# KiCad board V1.3.kicad_pcb (continued)
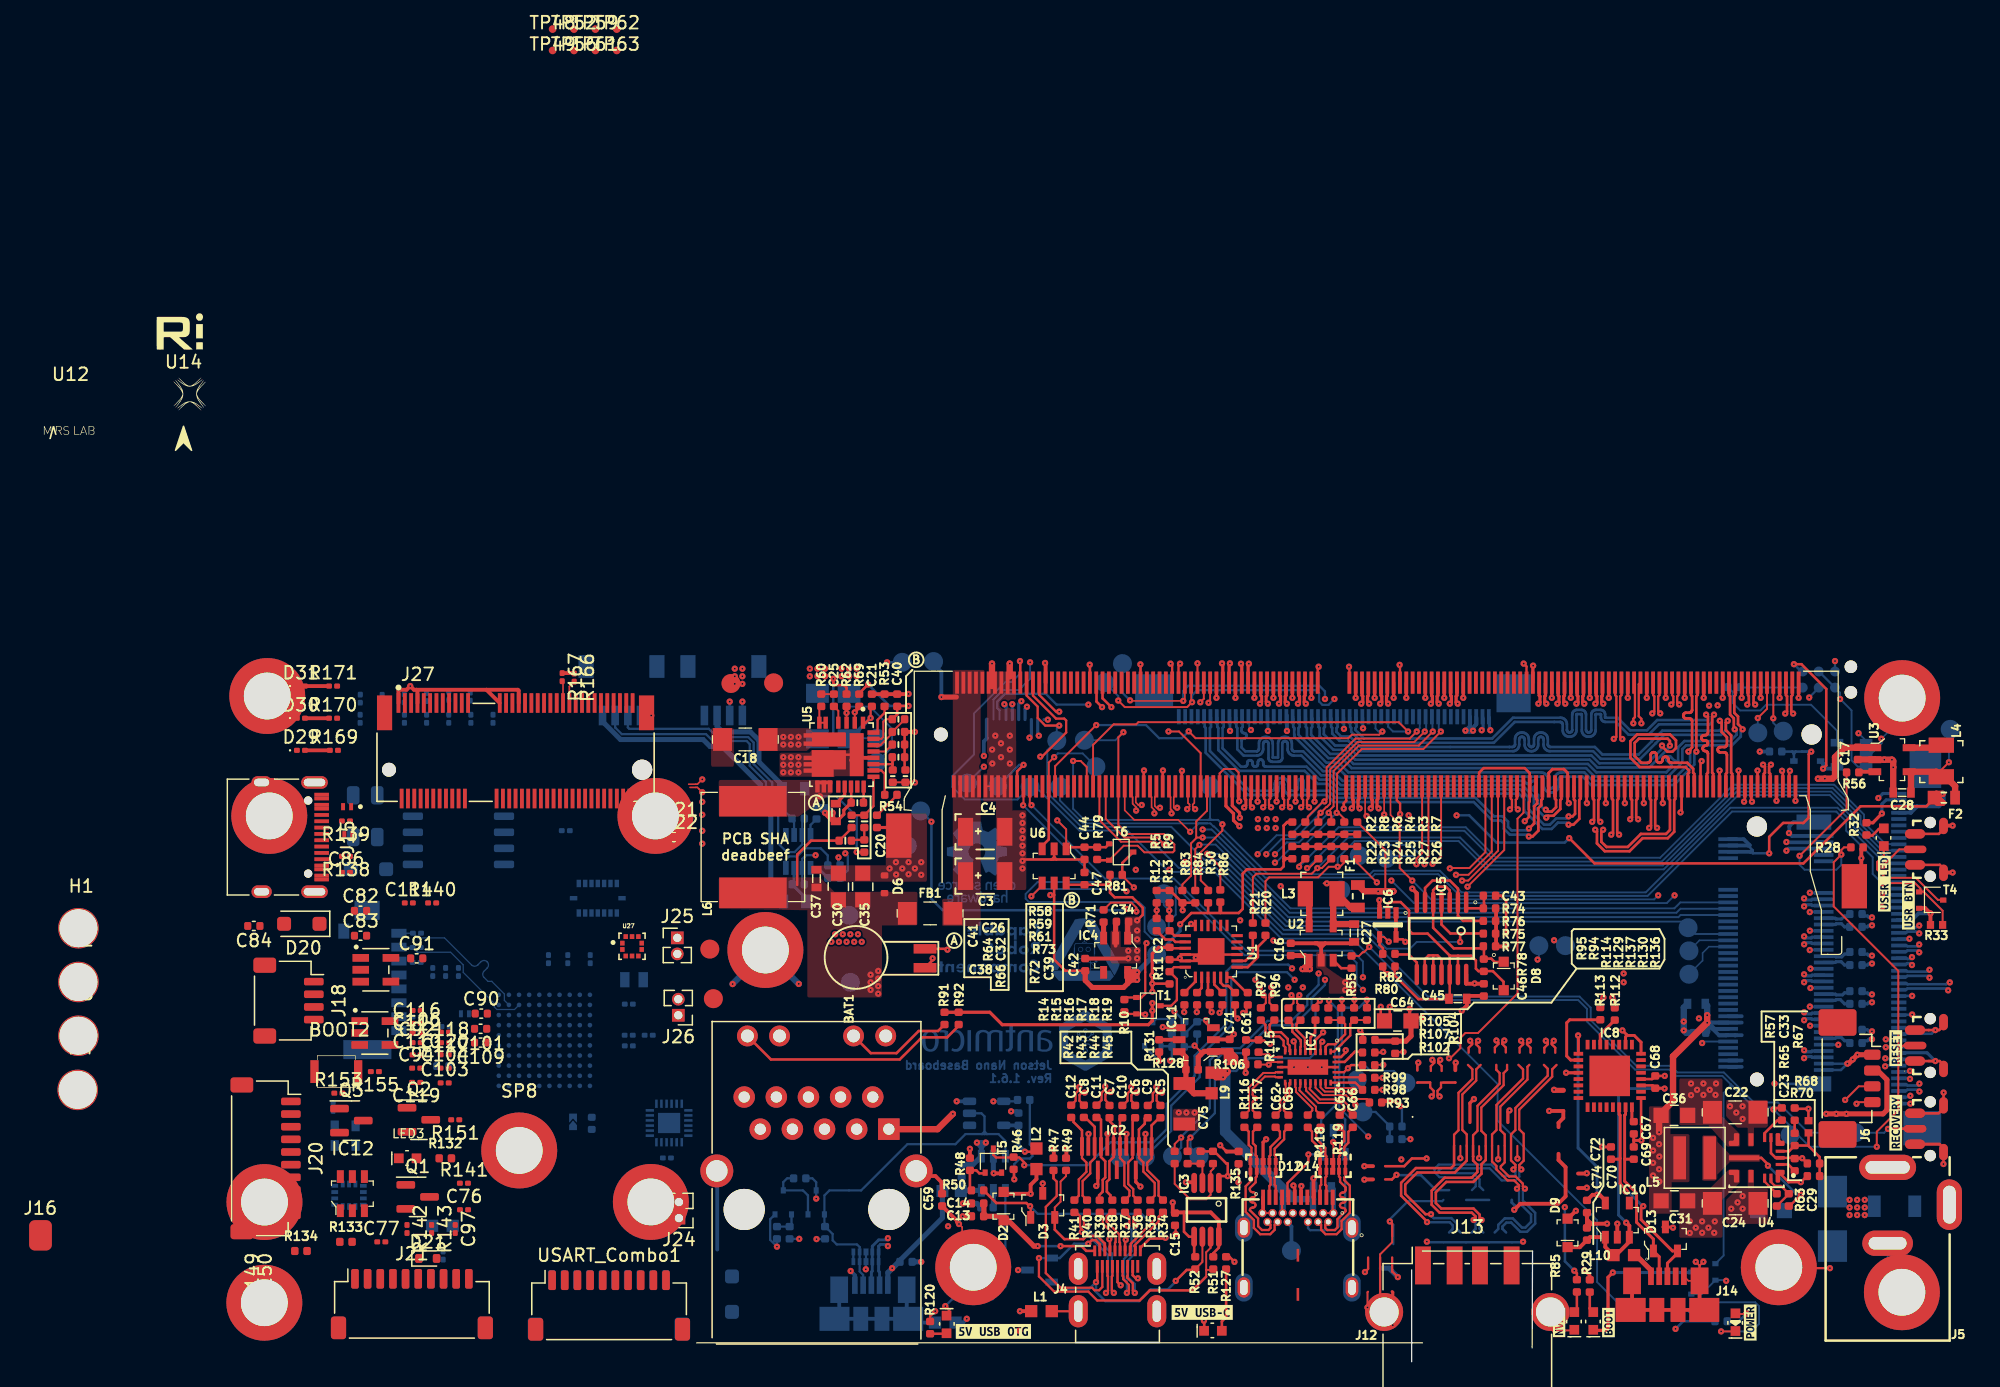
[diagram p0: board, top side]
## Placement (name value [footprint] x y rotation side) (continued)
R118  R_0R_0402  [0402-res]  48.28 19.02 270 top
R119  R_0R_0402  [0402-res]  49.29 19.02 270 top
R120  R_470R_0402  [0402-res]  18.44 2.7 90 top
R121  R_100k_0402  [0402-res]  38.04 24.9 0 bottom
R122  R_0R_0402  [0402-res]  20.94 15.1 270 bottom
R123  R_0R_0402  [0402-res]  37.54 26.4 90 bottom
R124  R_10k_0402  [0402-res]  22.94 12.2 180 bottom
R125  R_100k_0402  [0402-res]  39.54 26.4 270 bottom
R126  R_10k_0402  [0402-res]  38.54 26.4 270 bottom
R127  R_470R_0402  [0402-res]  41.83 7.81 90 top
R128  R_0R_0402  [0402-res]  39.14 23.1 180 top
R129  R_0R_0402  [0402-res]  49.91 27.49 90 top
R130  R_0R_0402  [0402-res]  51.94 27.49 90 top
R131  R_10k_0402  [0402-res]  36.54 24.97 270 top
R132  R_470R_0402  [0402-res]  -19.86 16.08 0 top
R133  R_0R_0402  [0402-res]  -27.71 9.48 0 top
R134  R_10k_0402  [0402-res]  -31.27 8.75 0 top
R135  R_10k_0402  [0402-res]  42.82 16.13 270 top
R136  R_0R_0402  [0402-res]  52.96 27.5 270 top
R137  R_0R_0402  [0402-res]  50.92 27.49 270 top
R138  5.1kR(0201)  [R_0201_0603Metric]  -27.71 39.96 180 top
R139  5.1kR(0201)  [R_0201_0603Metric]  -27.71 42.75 180 top
R140  100kR(0201 50V)  [R_0201_0603Metric]  -20.9 36.27 0 top
R141  100kR(0201 50V)  [R_0201_0603Metric]  -18.39 14.11 0 top
R142  200.0kR(0201 50V)  [R_0201_0603Metric]  -22.89 10.49 270 top
R143  22.0kR(0201 50V)  [R_0201_0603Metric]  -20.95 10.49 270 top
R144  10kR(0201)  [R_0201_0603Metric]  -26.58 52.42 270 bottom
R145  10kR(0201)  [R_0201_0603Metric]  -24.85 52.41 270 bottom
R146  10kR(0201)  [R_0201_0603Metric]  -23.1 52.44 270 bottom
R147  20kR(0201 9V)  [R_0201_0603Metric]  -21.35 52.55 270 bottom
R148  1kR(0201)  [R_0201_0603Metric]  -20.03 8.39 270 bottom
R149  4.7kR(0201 25V)  [R_0201_0603Metric]  -34.06 6.68 90 top
R150  4.7kR(0201 25V)  [R_0201_0603Metric]  -33.05 6.68 90 top
R151  10kR(0201)  [R_0201_0603Metric]  -19.08 19.13 180 top
R152  100R(0201)  [R_0201_0603Metric]  -5.36 24.97 180 bottom
R153  1kR(0201)  [R_0201_0603Metric]  -28.31 21.23 0 top
R154  10kR(0201)  [R_0201_0603Metric]  -5.37 25.81 180 bottom
R155  10kR(0201)  [R_0201_0603Metric]  -25.43 22.94 180 top
R156  10.0kR(0201)  [R_0201_0603Metric]  -19.59 52.63 90 bottom
R157  10.0kR(0201)  [R_0201_0603Metric]  -17.89 52.58 90 bottom
R158  10.0kR(0201)  [R_0201_0603Metric]  -10.34 41.99 180 bottom
R159  4.7kR(0201)  [R_0201_0603Metric]  -11.71 31.83 270 bottom
R160  4.7kR(0201)  [R_0201_0603Metric]  -10.19 31.83 270 bottom
R161  10kR(0201)  [R_0201_0603Metric]  -22.1 33.88 0 bottom
R162  10kR(0201)  [R_0201_0603Metric]  -22.12 32.75 0 bottom
R163  10kR(0201)  [R_0201_0603Metric]  -22.13 31.57 0 bottom
R164  10kR(0201)  [R_0201_0603Metric]  -22.13 27.26 0 bottom
R165  10kR(0201)  [R_0201_0603Metric]  -22.13 26.17 0 bottom
R166  DNP  [R_0201_0603Metric]  -9.68 54.09 270 top
R167  DNP  [R_0201_0603Metric]  -10.63 54.12 270 top
R169  1k  [R_0201_0603Metric]  -28.66 48.34 0 top
R170  1k  [R_0201_0603Metric]  -28.73 50.88 0 top
R171  1k  [R_0201_0603Metric]  -28.73 53.42 0 top
REC1  ~  [TL3340AF160QG]  97.47 18.42 0 top
RST1  ~  [TL3340AF160QG]  97.47 25 0 top
SP1  9774060151  [M2.5-6mm]  95.25 52.47 0 bottom
SP2  9774060151  [M2.5-6mm]  -34.16 4.66 0 bottom
SP3  9774060151  [M2.5-6mm]  95.23 5.49 0 bottom
SP4  9774060151  [M2.5-6mm]  85.5 7.47 0 top
SP5  9774060151  [M2.5-6mm]  -33.93 52.63 0 bottom
SP6  9774060151  [M2.5-6mm]  21.85 7.47 0 top
SP7  9774040151  [9774060151]  5.43 32.55 0 bottom
SP8  9774040151  [MountingHole_3.7mm_Pad]  -14.02 16.7 0 top
SP9  9774060151  [M2.5-6mm]  -3.62 12.63 180 bottom
SP10  9774060151  [M2.5-6mm]  -3.26 43.15 180 bottom
SP11  9774060151  [M2.5-6mm]  -33.77 43.15 180 bottom
SP12  9774060151  [M2.5-6mm]  -34.15 12.62 180 bottom
T1  BSS138APW  [SC70-3]  35.69 28.15 0 top
T2  BSS138APW  [SC70-3]  79.54 7.1 180 bottom
T3  BSS138APW  [SC70-3]  79.54 4.7 0 bottom
T4  BSS138APW  [SC70-3]  97.54 36.5 0 top
T5  BSS138APW  [SC70-3]  23.44 15.9 90 top
T6  BSS138APW  [SC70-3]  33.54 40.3 0 top
T7  BSS138APW  [SC70-3]  9.44 12.6 90 bottom
T8  BSS138APW  [SC70-3]  6.84 12.6 90 bottom
T9  BSS138APW  [SC70-3]  36.04 25.9 90 bottom
TP1  -  [TC2030]  88.66 53.93 0 bottom
TP2  ~  [TP-R-1.5]  85.85 49.85 0 bottom
TP3  ~  [TP-R-1.5]  83.84 49.72 0 bottom
TP4  ~  [TP-R-1.5]  54.51 39.79 0 bottom
TP5  ~  [TP-R-1.5]  52.35 40.02 0 bottom
TP6  ~  [TP-R-1.5]  36.34 34.4 0 bottom
TP7  ~  [TP-R-1.5]  36.9 37 0 bottom
TP8  ~  [TP-R-1.5]  31.54 47.05 0 bottom
TP9  ~  [TP-R-1.5]  30.63 49.13 0 bottom
TP10  ~  [TP-R-1.5]  26.34 45.45 0 bottom
TP11  ~  [TP-R-1.5]  21.39 45.75 0 bottom
TP12  ~  [TP-R-1.5]  28.45 49.11 0 bottom
TP13  ~  [TP-R-1.5]  23.79 45.5 0 bottom
TP14  ~  [TP-R-1.5]  32.24 53.7 0 bottom
TP15  ~  [TP-R-1.5]  33.64 55.2 0 bottom
TP16  ~  [TP-R-1.5]  1.04 32.62 0 top
TP17  ~  [TP-R-1.5]  6.08 53.67 0 top
TP18  ~  [TP-R-1.5]  1.32 28.7 0 top
TP19  ~  [TP-R-1.5]  2.71 53.62 0 top
TP20  ~  [TP-R-1.5]  86.39 17.93 0 bottom
TP21  ~  [TP-R-1.5]  91.56 18.1 0 bottom
TP22  ~  [TP-R-1.5]  18.72 55.36 0 bottom
TP23  ~  [TP-R-1.5]  78.33 34.31 0 bottom
TP24  ~  [TP-R-1.5]  33.44 16.15 0 bottom
TP25  ~  [TP-R-1.5]  35.44 16.2 0 bottom
TP26  ~  [TP-R-1.5]  28.7 45.46 0 bottom
TP27  ~  [TP-R-1.5]  40.56 45.51 0 bottom
TP28  ~  [TP-R-1.5]  37.59 16.25 0 bottom
TP29  ~  [TP-R-1.5]  39.69 16.25 0 bottom
TP30  Testpad  [TP-R-1.5]  14.24 49.3 0 bottom
TP31  Testpad  [TP-R-1.5]  16.64 40.8 0 bottom
TP32  Testpad  [TP-R-1.5]  14.24 47.4 0 bottom
TP33  ~  [TP-R-1.5]  50.89 37.3 0 bottom
TP34  ~  [TP-R-1.5]  99.04 50 0 bottom
TP35  Testpad  [TP-R-1.5]  17.69 43.55 0 bottom
TP36  Testpad  [TP-R-1.5]  12.14 30 0 bottom
TP37  ~  [TP-R-1.5]  36.34 32.2 0 bottom
TP38  ~  [TP-R-1.5]  16.24 55.3 0 bottom
TP39  ~  [TP-R-1.5]  12.04 35.3 0 bottom
TP40  ~  [TP-R-1.5]  68.64 32.9 0 bottom
TP41  ~  [TP-R-1.5]  66.54 32.9 0 bottom
TP42  ~  [TP-R-1.5]  78.4 32.48 0 bottom
TP43  ~  [TP-R-1.5]  78.4 30.63 0 bottom
TP44  ~  [TP-R-1.5]  52.64 19.75 0 bottom
TP45  ~  [TP-R-1.5]  56.04 22.04 0 bottom
TP46  ~  [TP-R-1.5]  52.19 22.3 0 bottom
TP47  ~  [TP-R-1.5]  46.99 8.79 0 bottom
TP48  24V_TP  [MiniTP]  -11.39 105.36 0 top
TP49  3.3V_Core_TP  [MiniTP]  -11.39 103.67 0 top
TP52  3.3V_Peri_TP  [MiniTP]  -9.7 105.36 0 top
TP56  5V_System  [MiniTP]  -9.7 103.67 0 top
TP59  CAM_9V  [MiniTP]  -8.01 105.36 0 top
TP61  TP  [MiniTP]  -8.01 103.67 0 top
TP62  TP  [MiniTP]  -6.32 105.36 0 top
TP63  TP  [MiniTP]  -6.32 103.67 0 top
U1  PCA9547BS,118  [HVQFN24]  40.65 32.44 90 top
U2  LM3671MF-3.3/NOPB  [SOT-23-5]  49.34 33.1 0 top
U3  LM3671MF-3.3/NOPB  [SOT-23-5]  94.44 47.6 270 top
U4  LM62440-Q1  [VQFN-14-HR]  83.76 16.12 180 top
U5  SIC477ED-T1-GE3  [SIC47XED-T1-GE3]  11.44 48 270 top
U6  SN74LXC1T45DBVR  [SOT-23-6]  28.24 39.2 180 top
U7  MAX3051EKA  [SOT-23-8]  8.02 40.34 180 bottom
U8  74LVC1G07GV  [SOT-753]  22.91 19.64 90 bottom
U10  -  [RT9013-33GB]  -25.43 25.99 0 top
U11  -  [RT9013-33GB]  -25.35 30.99 0 top
U12  -  [HKU_Logo]  -49.47 77.57 0 top
U13  UAV_LOGO  [Uav_logo]  -40.13 76.52 0 top
U14  -  [Direction_Logo]  -40.55 72.69 0 top
U15  RI_LOGO  [Ri_logo]  -40.77 81.42 0 top
U16  HiLAB_Logo  [HILAB_Logo]  147.42 84.95 0 top
U18  High_temp  [high_temp]  -20.41 116.55 0 top
U19  Signature  [my_signature]  159.46 68.94 0 top
U20  -  [high_voltage]  145.34 94.83 0 top
U21  -  [Caution]  -20.51 110.29 0 top
U22  STM32H743VIH6  [STM32H743VIHBGA100C80P10X10_800X800X110N]  -12.04 25.41 180 bottom
U23  ~  [handsolder_connect]  -9.77 19.07 90 bottom
U24  -  [ICM-42688-P]  -27.47 13.16 180 bottom
U25  -  [BMI088]  -7.81 36.65 180 bottom
U26  ~  [ICM-20649]  -2.18 18.87 180 bottom
U27  BMP388  [PQFN50P200X200X80-10N]  -5.11 32.84 0 top
U28  W25Q128JVS  [SOIC-8_5.23x5.23mm_P1.27mm]  -18.82 41.23 180 bottom
USART_Combo1  UART_Combo  [01x10_MP_sh1.0_Hori]  -6.92 4.44 0 top
USER1  ~  [LED0603]  93.8 41.42 90 top
USR1  ~  [TL3340AF160QG]  97.47 40.51 0 top
Y1  SG-210STF/ X1G004171002700  [Oscillator_SMD_Abracon_ASDMB-4Pin_2.5x2.0mm]  -27.78 17.87 180 bottom
Y2  ABS07 (32.768kHZ)  [LSE(2012)]  -4.95 30.2 0 bottom

## Library data of the parts
BAT1 = -: Manufacturer: Seiko
BOOT1 LED1-LED3 NVME1 PWR1 USER1 = -: MPN: KPT-1608SGC; Manufacturer: Kingbright
BOOT2 = -: Description: Push button switch, generic, two pins
C1 C2 C5-C12 C15 C25 C29 C39 C44 C46-C56 C58 C60-C63 C65-C68 = -: MPN: 0402X104K6R3CT; Manufacturer: Walsin; Val: 100n
C3 C4 = -: MPN: T520B337M006ATE040; Manufacturer: KEMET; Val: 330u
C13 C14 C73 = -: MPN: GRM155R61A475MEAAD; Manufacturer: MURATA; Val: 4u7
C16 C17 C34 C74 = -: MPN: C1005X5R1A225K050BC; Manufacturer: TDK; Val: 2u2
C18 C19 C22 C24 = -: MPN: C3216X7R1H106K160AE; Manufacturer: TDK; Val: 10u/50V
C20 = -: DNP: DNP; MPN: C0402C271J3GAC7867; Manufacturer: KEMET; Val: 270p_25V
C21 = -: MPN: GRM155R71H104KE14D; Manufacturer: Murata; Val: 100n/50V
C23 C40 C42 C72 = -: MPN: C1005X6S1A105K050BC; Manufacturer: TDK; Val: 1u
C26 = -: MPN: MC0402B333K250CT; Manufacturer: MULTICOMP; Val: 33n
C27 C28 C37 C45 C57 C78 = -: MPN: GRM188R61A106KE69D; Manufacturer: Murata; Val: 10u
C30 C35 C36 C64 = -: MPN: C0805C476M9PACTU; Manufacturer: KEMET; Val: 47u
C31 = -: MPN: 160R15X106KV4E; Manufacturer: JOHANSON_DIELECTRICS; Val: 10u
C32 C38 = -: DNP: DNP; MPN: GCM155R71H122KA37D; Manufacturer: Murata; Val: 1n2_50V
C33 = -: DNP: DNP; MPN: 0402N6R0D500CT; Manufacturer: WALSIN; Val: 6p
C41 = -: MPN: C1608X5R1V475M080AC; Manufacturer: TDK; Val: 4u7
C43 = -: MPN: MC0402X473K160CT; Manufacturer: MULTICOMP; Val: 47n
C59 = -: MPN: 0402N101J500CT; Manufacturer: WALSIN; Val: 100p
C69 C70 = -: MPN: C0402C470J5GACTU; Manufacturer: KEMET; Val: 47p
C71 = -: MPN: GRM155R60J106ME44D; Manufacturer: MURATA; Val: 10u
C75 = -: MPN: C1206C107M9PACTU; Manufacturer: Kemet; Voltage: 6.3V
C76 C77 C121 C122 = -: Description: Unpolarized capacitor
C82-C84 C86-C88 C90-C95 C97 C99-C120 = -: Description: Unpolarized capacitor, small symbol
D1 = -: MPN: 1N4148WS; Manufacturer: ON Semiconductor
D2 D8 D9 = -: Manufacturer: ON Semiconductor
D3 D4 D11 D13 U1 = -: Manufacturer: Nexperia
D5 = -: MPN: ESD5B5.0ST1G; Manufacturer: ON Semiconductor; Field7: Apache-2.0 License; Field8: Copyright (c) 2023 Antmicro
D6 = -: MPN: ESD5B5.0ST1G; Manufacturer: ON Semiconductor; Field6: Apache-2.0 License; Field7: Copyright (c) 2023 Antmicro
D7 = -: Description: 33V ESD ESD Suppressors / TVS Diodes 600W; Manufacturer: Littelfuse
D10 D12 D14 = -: MPN: TPD4E05U06DQAR; Manufacturer: Texas Instruments
D15 D20 = -: Description: Schottky diode
D16 D17 D19 = -: Description: ESD protection diode, 5.0Vrwm, SOD-923
D18 = -: Description: Bidirectional transient-voltage-suppression diode
D21 = -: Description: Zener diode
D22-D28 = -: Description: Light emitting diode, small symbol
D29-D31 = -: Description: Light emitting diode
F1 F2 F4 F5 = -: Manufacturer: Littelfuse Inc.
F3 = -: MPN: 3413.0329.22; Manufacturer: Schurter Inc.
FB1 = -: Description: Ferrite Beads WE-MPSB 1206 100MHz 10Ohm 10.5A AECQ2; Manufacturer: Wurth Electronic
FB2 FB3 = -: Manufacturer: Wurth Electronic
H1-H4 = -: Description: Mounting Hole with connection
IC1 = -: Manufacturer: Atmel
IC2 = -: MPN: TPD8S009DSMR; Manufacturer: Texas Instruments; PartSymbol: TPD8S009DSMR
IC3 IC5 = -: Manufacturer: NXP
IC4 IC6 IC10 U2 U3 U6 = -: Manufacturer: Texas Instruments
IC7 = -: MPN: HD3SS3220RNHT; Manufacturer: Texas Instrumets
IC8 = -: MPN: FT232RQ; Manufacturer: FTDI; PartNumber: FT232RQ
IC9 IC11 IC12 = -: Description: Adjustable Current‐Limiting Power‐Distribution Switch; Manufacturer: onsemi
J1 = -: MPN: 68715014522; Manufacturer: Wurth Elektronik
J2 = -: MPN: 68715014022; Manufacturer: Wurth Elektronik
J4 = -: MPN: 467651001; Manufacturer: Molex; Field6: KEEPOUT
J5 = -: MPN: MJ-179PH; Manufacturer: Multicomp
J6 = -: MPN: 0533980471; Manufacturer: Molex
J7 = -: MPN: MDT580M01001; Manufacturer: Amphenol
J8 J9 = -: Description: Connector Header Surface Mount Horizontal 4 position 0.039" (1.00mm); Manufacturer: JST
J10 = -: Manufacturer: Bel Magnetic Solutions
J11 J14 = -: MPN: 473460001; Manufacturer: Molex; PartSymbol: 47346-0001
J12 SP1-SP12 = -: Manufacturer: Wurth Elektronik
J13 = -: Description: USB Type A connector
J15 = -: Description: USB 2.0-only Type-C Receptacle connector
J16 = -: Description: Generic connector, single row, 01x01, script generated (kicad-library-utils/schlib/autogen/connector/)
J17 J19-J21 USART_Combo1 = -: Description: Generic connectable mounting pin connector, single row, 01x10, script generated (kicad-library-utils/schlib/autogen/connector/)
J18 = -: Description: Generic connectable mounting pin connector, single row, 01x04, script generated (kicad-library-utils/schlib/autogen/connector/)
J23 = -: Description: Micro SD Card Socket
J24-J26 = -: Description: Generic connector, single row, 01x02, script generated
J27 = -: Description: M.2 Socket 1-SD Mechanical Key E
L1-L4 L7-L11 = -: Manufacturer: Murata
L5 = -: Manufacturer: Coilcraft; MaxCur: 6A; Size: 4.3x4.3; Val: 2u2/3.7A
L6 = -: Manufacturer: Vishay; MaxCur: 9.2A; Size: 8.64x8.18; Val: 3u3/9.2A
M1 = -: MPN: 2309413-1; Manufacturer: TE; PartSymbol: 2309413-1
M2 M2#2 = -: MPN: 900-13448-0020-000; Manufacturer: Nvidia
Q1 = -: Description: P-MOSFET transistor, gate/source/drain
Q2 Q3 = -: Description: NPN transistor, base/emitter/collector
R1 R7 R12-R21 R26 R42 R43 R50 R58 R64 R70 R71 R87-R89 R94-R97 R106 R107 R116-R119 R123 R129 R136 = -: MPN: ERJ2GE0R00X; Manufacturer: PANASONIC; Val: 0R
R2 R22 R47 R82 R98-R103 R122 R128 R130 R133 R137 = -: DNP: DNP; MPN: ERJ2GE0R00X; Manufacturer: PANASONIC; Val: 0R
R3-R6 R8 R9 R23-R25 R27 R44-R46 R48 R51-R53 R105 R109 = -: MPN: CRCW04022K00FKED; Manufacturer: VISHAY; Val: 2k
R10 R28 R30 R62 R69 R121 R125 = -: MPN: CRCW0402100KFKEDHP; Manufacturer: VISHAY; Val: 100k
R11 R55-R57 R73 R79 R81 R83 R84 R86 R108 R110 R111 R124 R131 R134 R135 = -: MPN: CRCW040210K0FKEDHP; Manufacturer: VISHAY; Val: 10k
R29 R31 R32 R120 R127 R132 = -: MPN: CRCW0402470RFKED; Manufacturer: VISHAY; Val: 470R
R33 = -: MPN: ERJ2GE0R00X; Manufacturer: Vishay
R34-R41 = -: MPN: ERJ2GEJ5R6X; Manufacturer: PANASONIC_ELECTRONIC_COMPONENTS; Val: 5R6
R49 = -: DNP: DNP; MPN: CRCW04022K00FKED; Manufacturer: VISHAY; Val: 2k
R54 = -: DNP: DNP; MPN: CRCW0402316KFKED; Manufacturer: VISHAY; Val: 316k
R59 = -: DNP: DNP; MPN: ERJ-2RKF6042X; Manufacturer: Panasonic; Val: 60k4_1%
R60 = -: MPN: ERJ2GEJ3R3X; Manufacturer: Panasonic; Val: 3R3
R61 = -: MPN: MCMR04X2672FTL; Manufacturer: Multicomp; Val: 26k7
R63 = -: MPN: CR0402-FX-1000GLF; Manufacturer: BOURNS; Val: 100R
R65 R80 = -: DNP: DNP; MPN: CR0402-FX-1001GLF; Manufacturer: BOURNS; Val: 1k
R66 = -: DNP: DNP; MPN: RC0402FR-078K66L; Manufacturer: YAGEO; Val: 8k66_1%
R67 = -: DNP: DNP; MPN: ERA-6AEB104V; Manufacturer: PANASONIC; Val: 100k_1%
R68 = -: DNP: DNP; MPN: ERJ2RKF4422X; Manufacturer: PANASONIC_ELECTRONIC_COMPONENTS; Val: 44k2
R72 = -: MPN: ERJ-2RKF5232X; Manufacturer: Panasonic; Val: 52k3
R74 R75 R93 R115 = -: MPN: RC0402FR-07200KL; Manufacturer: YAGEO_(PHYCOMP); Val: 200k
R76 R77 = -: MPN: CR0402-FX-1001GLF; Manufacturer: BOURNS; Val: 1k
R78 = -: MPN: RC0402FR-07470KL; Manufacturer: YAGEO; Val: 470k
R85 R91 R92 = -: MPN: ERJ2GEJ221X; Manufacturer: Panasonic; Val: 220R
R90 = -: MPN: ERJ2GEJ121X; Manufacturer: PANASONIC; Val: 120R
R104 R126 = -: DNP: DNP; MPN: CRCW040210K0FKEDHP; Manufacturer: VISHAY; Val: 10k
R112 R113 = -: MPN: CRCW040222R0FKED; Manufacturer: VISHAY; Val: 22R
R114 = -: MPN: ERJ2RKF9093X; Manufacturer: PANASONIC_ELECTRONIC_COMPONENTS; Val: 909k
R138-R165 = -: Description: Resistor, small symbol
R166 R167 R169-R171 = -: Description: Resistor
REC1 RST1 USR1 = -: MPN: TL3340AF160QG; Manufacturer: E-Switch; PartSymbol: TL3340AF160QG
T1-T8 = -: MPN: BSS138PW; Manufacturer: ON Semiconductor
T9 = -: DNP: DNP; MPN: BSS138PW; Manufacturer: ON Semiconductor
TP1 = -: Manufacturer: Tag Connect
TP2-TP47 = -: MPN: N/A; Manufacturer: N/A
TP48 TP49 TP52 TP56 TP59 TP61-TP63 = -: Description: test point
U4 = -: MPN: LMQ62440BPPQRJRRQ1; Manufacturer: Texas Instruments
U5 = -: Manufacturer: VISHAY
U7 = -: Description: CAN Interface IC +3.3V, 1Mbps, Low-Supply-Current CAN Transceiver; Manufacturer: Maxim Integrated
U8 = -: Description: Buffers & Line Drivers Single 1.65-V to 5.5-V buffer with open-drain output SOT-753; MPN: 74LVC1G07GV,125; Manufacturer: Texas Instruments; Field6: Author: Antmicro; Field7: License: Apache-2.0
U28 = -: Description: 128Mb Serial Flash Memory, Standard/Dual/Quad SPI, SOIC-8
Y1 = -: Description: Oscillation

## Footprints (pads in the part's own frame, mm; a bottom-side part is the same pattern mirrored in y, then rotated)
01x04_MP_sh1.0_Hori
  rrect 0.6x1.55 smd: 1(-1.5,2) 2(-0.5,2) 3(0.5,2) 4(1.5,2)
  rrect 1.2x1.8 smd: MP(-2.8,-1.875) MP(2.8,-1.875)
01x10_MP_sh1.0_Hori
  rrect 0.6x1.55 smd: 1(-4.5,2) 2(-3.5,2) 3(-2.5,2) 4(-1.5,2) 5(-0.5,2) 6(0.5,2) 7(1.5,2) 8(2.5,2) 9(3.5,2) 10(4.5,2)
  rrect 1.2x1.8 smd: MP(-5.8,-1.875) MP(5.8,-1.875)
3x2.5PushButton
  rect 0.65x1.8 smd: 1(-1.725,0) 2(1.725,0)
0402
  rect 0.57x0.62 smd: 1(-0.48,0) 2(0.48,0)
0402-cap
  rrect 0.59x0.64 smd: 1(-0.485,0) 2(0.485,0)
0402-res
  rrect 0.59x0.64 smd: 1(-0.485,0) 2(0.485,0)
0603
  rect 0.97x0.96 smd: 1(-0.815,0) 2(0.815,0)
0603#2
  rect 0.95x0.95 smd: 1(-0.725,0) 2(0.725,0)
0603-cap
  rect 0.6x0.8 smd: 1(-0.7,0) 2(0.7,0)
0603-Fuse-Littelfuse-0467
  rect 0.762x1.09 smd: 1(-0.891,0) 2(0.891,0)
0805-cap
  rect 1.2x1.2 smd: 1(-1.05,0) 2(1.05,0)
0805-res
  rect 1.2x1.2 smd: 1(-1.05,0) 2(1.05,0)
1206
  rect 1.016x1.7 smd: 1(-1.6,0) 2(1.6,0)
1206-cap
  rect 1.5x1.8 smd: 1(-1.8,0) 2(1.8,0)
1206-res
  rect 1.5x1.8 smd: 1(-1.8,0) 2(1.8,0)
9774060151
  round 6 hole 3.7: 1(0,0)
BMI088
  rect 0.35x0.59 smd: 1(-1.5,1.165) 2(-1,1.165) 3(-0.5,1.165) 4(0,1.165) 5(0.5,1.165) 6(1,1.165) 7(1.5,1.165) 9(1.5,-1.165) 10(1,-1.165) 11(0.5,-1.165) 12(0,-1.165) 13(-0.5,-1.165) 14(-1,-1.165) 15(-1.5,-1.165)
  rect 0.59x0.35 smd: 8(1.915,0) 16(-1.915,0)
C_0201_0603Metric
  rrect 0.318x0.36 smd: (-0.345,0) (0.345,0)
  rrect 0.46x0.4 smd: 1(-0.32,0) 2(0.32,0)
C_0402_1005Metric
  rrect 0.56x0.62 smd: 1(-0.48,0) 2(0.48,0)
C_0805_2012Metric
  rrect 1x1.45 smd: 1(-0.95,0) 2(0.95,0)
CON-Molex-047346-0001
  rect 0.45x1.38 smd: 1(-1.3,1.263) 2(-0.65,1.263) 3(0,1.263) 4(0.65,1.263) 5(1.3,1.263)
  rect 2.37x1.9 smd: S(-2.91,-1.397) S(2.91,-1.397)
  rect 1.4x2.1 smd: S(-2.794,0.903) S(2.54,0.903)
  rect 1.175x1.9 smd: S(-0.838,-1.397) S(0.838,-1.397)
Conn_1pin_Power
  rrect 1.8x2.4 smd: 1(0.02,0)
D_SMB
  rect 2.5x2.3 smd: 1(-2.15,0) 2(2.15,0)
D_SOD-123F
  rrect 1.1x1.1 smd: 1(-1.4,0) 2(1.4,0)
D_SOD-523
  rrect 0.6x0.7 smd: 1(-0.7,0) 2(0.7,0)
DC_SOCKET
  oval 4.5x2 hole 3.5x1: 1(0,13.7)
  oval 1.99x4 hole 1x3: 2(4.88,10.75)
  oval 4x2 hole 3x1: 3(0,7.7)
handsolder_connect
  custom 0.76x0.62 smd: 1(-0.565,0)
  custom 0.7x0.62 smd: 2(0.375,0)
HDMI_Micro-D_Molex_46765-1x01
  rect 0.23x0.85 smd: 1(1.8,4.775) 3(1.4,4.775) 5(1,4.775) 7(0.6,4.775) 9(0.2,4.775) 11(-0.2,4.775) 13(-0.6,4.775) 15(-1,4.775) 17(-1.4,4.775) 19(-1.8,4.775)
  rect 0.23x1 smd: 2(1.6,3.55) 4(1.2,3.55) 6(0.8,3.55) 8(0.4,3.55) 10(0,3.55) 12(-0.4,3.55) 14(-0.8,3.55) 16(-1.2,3.55) 18(-1.6,3.55)
  oval 1.5x2.55 hole 0.65x1.7: SH(-3.1,3.36) SH(-3.1,0) SH(3.1,3.36) SH(3.1,0)
HVQFN24
  rect 0.9x0.24 smd: 1(-2.05,1.25) 2(-2.05,0.75) 3(-2.05,0.25) 4(-2.05,-0.25) 5(-2.05,-0.75) 6(-2.05,-1.25) 13(2.05,-1.25) 14(2.05,-0.75) 15(2.05,-0.25) 16(2.05,0.25) 17(2.05,0.75) 18(2.05,1.25)
  rect 0.24x0.9 smd: 7(-1.25,-2.05) 8(-0.75,-2.05) 9(-0.25,-2.05) 10(0.25,-2.05) 11(0.75,-2.05) 12(1.25,-2.05) 19(1.25,2.05) 20(0.75,2.05) 21(0.25,2.05) 22(-0.25,2.05) 23(-0.75,2.05) 24(-1.25,2.05)
  rect 2.1x2.1 smd: 25(0,0)
ICM-20649
  rect 0.656x0.204 smd: 1(-1.522,1) 2(-1.522,0.6) 3(-1.522,0.2) 4(-1.522,-0.2) 5(-1.522,-0.6) 6(-1.522,-1) 13(1.522,-1) 14(1.522,-0.6) 15(1.522,-0.2) 16(1.522,0.2) 17(1.522,0.6) 18(1.522,1)
  rect 0.204x0.656 smd: 7(-1,-1.522) 8(-0.6,-1.522) 9(-0.2,-1.522) 10(0.2,-1.522) 11(0.6,-1.522) 12(1,-1.522) 19(1,1.522) 20(0.6,1.522) 21(0.2,1.522) 22(-0.2,1.522) 23(-0.6,1.522) 24(-1,1.522)
  rect 1.753x1.6 smd: 25(0,0)
ICM-42688-P
  rect 0.533x0.305 smd: 1(-1.13,0.75) 2(-1.13,0.25) 3(-1.13,-0.25) 4(-1.13,-0.75) 8(1.13,-0.75) 9(1.13,-0.25) 10(1.13,0.25) 11(1.13,0.75)
  rect 0.305x0.533 smd: 5(-0.5,-0.889) 6(0,-0.889) 7(0.5,-0.889) 12(0.5,0.889) 13(0,0.889) 14(-0.5,0.889)
IHLP3232DZ
  rect 2.413x5.335 smd: 1(-3.619,0) 2(3.619,0)
jetson-nano-connector
  round 1.1 hole 1.1 unplated: (-66.2,42)
  round 1.6 hole 1.6 unplated: (2.6,42)
  rect 0.3x1.75 smd: 1(1.575,46.1) 2(1.325,37.9) 3(1.075,46.1) 4(0.825,37.9) 5(0.575,46.1) 6(0.325,37.9) 7(0.075,46.1) 8(-0.175,37.9) 9(-0.425,46.1) 10(-0.675,37.9) 11(-0.925,46.1) 12(-1.175,37.9) 13(-1.425,46.1) 14(-1.675,37.9) 15(-1.925,46.1) 16(-2.175,37.9) 17(-2.425,46.1) 18(-2.675,37.9) 19(-2.925,46.1) 20(-3.175,37.9) 21(-3.425,46.1) 22(-3.675,37.9) 23(-3.925,46.1) 24(-4.175,37.9) 25(-4.425,46.1) 26(-4.675,37.9) 27(-4.925,46.1) 28(-5.175,37.9) 29(-5.425,46.1) 30(-5.675,37.9) 31(-5.925,46.1) 32(-6.175,37.9) 33(-6.425,46.1) 34(-6.675,37.9) 35(-6.925,46.1) 36(-7.175,37.9) 37(-7.425,46.1) 38(-7.675,37.9) 39(-7.925,46.1) 40(-8.175,37.9) 41(-8.425,46.1) 42(-8.675,37.9) 43(-8.925,46.1) 44(-9.175,37.9) 45(-9.425,46.1) 46(-9.675,37.9) 47(-9.925,46.1) 48(-10.175,37.9) 49(-10.425,46.1) 50(-10.675,37.9) 51(-10.925,46.1) 52(-11.175,37.9) 53(-11.425,46.1) 54(-11.675,37.9) 55(-11.925,46.1) 56(-12.175,37.9) 57(-12.425,46.1) 58(-12.675,37.9) 59(-12.925,46.1) 60(-13.175,37.9) 61(-13.425,46.1) 62(-13.675,37.9) 63(-13.925,46.1) 64(-14.175,37.9) 65(-14.425,46.1) 66(-14.675,37.9) 67(-14.925,46.1) 68(-15.175,37.9) 69(-15.425,46.1) 70(-15.675,37.9) 71(-15.925,46.1) 72(-16.175,37.9) 73(-16.425,46.1) 74(-16.675,37.9) 75(-16.925,46.1) 76(-17.175,37.9) 77(-17.425,46.1) 78(-17.675,37.9) 79(-17.925,46.1) 80(-18.175,37.9) 81(-18.425,46.1) 82(-18.675,37.9) 83(-18.925,46.1) 84(-19.175,37.9) 85(-19.425,46.1) 86(-19.675,37.9) 87(-19.925,46.1) 88(-20.175,37.9) 89(-20.425,46.1) 90(-20.675,37.9) 91(-20.925,46.1) 92(-21.175,37.9) 93(-21.425,46.1) 94(-21.675,37.9) 95(-21.925,46.1) 96(-22.175,37.9) 97(-22.425,46.1) 98(-22.675,37.9) 99(-22.925,46.1) 100(-23.175,37.9) 101(-23.425,46.1) 102(-23.675,37.9) 103(-23.925,46.1) 104(-24.175,37.9) 105(-24.425,46.1) 106(-24.675,37.9) 107(-24.925,46.1) 108(-25.175,37.9) 109(-25.425,46.1) 110(-25.675,37.9) 111(-25.925,46.1) 112(-26.175,37.9) 113(-26.425,46.1) 114(-26.675,37.9) 115(-26.925,46.1) 116(-27.175,37.9) 117(-27.425,46.1) 118(-27.675,37.9) 119(-27.925,46.1) 120(-28.175,37.9) 121(-28.425,46.1) 122(-28.675,37.9) 123(-28.925,46.1) 124(-29.175,37.9) 125(-29.425,46.1) 126(-29.675,37.9) 127(-29.925,46.1) 128(-30.175,37.9) 129(-30.425,46.1) 130(-30.675,37.9) 131(-30.925,46.1) 132(-31.175,37.9) 133(-31.425,46.1) 134(-31.675,37.9) 135(-31.925,46.1) 136(-32.175,37.9) 137(-32.425,46.1) 138(-32.675,37.9) 139(-32.925,46.1) 140(-33.175,37.9) 141(-33.425,46.1) 142(-33.675,37.9) 143(-33.925,46.1) 144(-34.175,37.9) 145(-36.425,46.1) 146(-36.675,37.9) 147(-36.925,46.1) 148(-37.175,37.9) 149(-37.425,46.1) 150(-37.675,37.9) 151(-37.925,46.1) 152(-38.175,37.9) 153(-38.425,46.1) 154(-38.675,37.9) 155(-38.925,46.1) 156(-39.175,37.9) 157(-39.425,46.1) 158(-39.675,37.9) 159(-39.925,46.1) 160(-40.175,37.9) 161(-40.425,46.1) 162(-40.675,37.9) 163(-40.925,46.1) 164(-41.175,37.9) 165(-41.425,46.1) 166(-41.675,37.9) 167(-41.925,46.1) 168(-42.175,37.9) 169(-42.425,46.1) 170(-42.675,37.9) 171(-42.925,46.1) 172(-43.175,37.9) 173(-43.425,46.1) 174(-43.675,37.9) 175(-43.925,46.1) 176(-44.175,37.9) 177(-44.425,46.1) 178(-44.675,37.9) 179(-44.925,46.1) 180(-45.175,37.9) 181(-45.425,46.1) 182(-45.675,37.9) 183(-45.925,46.1) 184(-46.175,37.9) 185(-46.425,46.1) 186(-46.675,37.9) 187(-46.925,46.1) 188(-47.175,37.9) 189(-47.425,46.1) 190(-47.675,37.9) 191(-47.925,46.1) 192(-48.175,37.9) 193(-48.425,46.1) 194(-48.675,37.9) 195(-48.925,46.1) 196(-49.175,37.9) 197(-49.425,46.1) 198(-49.675,37.9) 199(-49.925,46.1) 200(-50.175,37.9) 201(-50.425,46.1) 202(-50.675,37.9) 203(-50.925,46.1) 204(-51.175,37.9) 205(-51.425,46.1) 206(-51.675,37.9) 207(-51.925,46.1) 208(-52.175,37.9) 209(-52.425,46.1) 210(-52.675,37.9) 211(-52.925,46.1) 212(-53.175,37.9) 213(-53.425,46.1) 214(-53.675,37.9) 215(-53.925,46.1) 216(-54.175,37.9) 217(-54.425,46.1) 218(-54.675,37.9) 219(-54.925,46.1) 220(-55.175,37.9) 221(-55.425,46.1) 222(-55.675,37.9) 223(-55.925,46.1) 224(-56.175,37.9) 225(-56.425,46.1) 226(-56.675,37.9) 227(-56.925,46.1) 228(-57.175,37.9) 229(-57.425,46.1) 230(-57.675,37.9) 231(-57.925,46.1) 232(-58.175,37.9) 233(-58.425,46.1) 234(-58.675,37.9) 235(-58.925,46.1) 236(-59.175,37.9) 237(-59.425,46.1) 238(-59.675,37.9) 239(-59.925,46.1) 240(-60.175,37.9) 241(-60.425,46.1) 242(-60.675,37.9) 243(-60.925,46.1) 244(-61.175,37.9) 245(-61.425,46.1) 246(-61.675,37.9) 247(-61.925,46.1) 248(-62.175,37.9) 249(-62.425,46.1) 250(-62.675,37.9) 251(-62.925,46.1) 252(-63.175,37.9) 253(-63.425,46.1) 254(-63.675,37.9) 255(-63.925,46.1) 256(-64.175,37.9) 257(-64.425,46.1) 258(-64.675,37.9) 259(-64.925,46.1) 260(-65.175,37.9)
  rect 2x3.5 smd: 261(-69.525,34) 262(5.975,30)
KEMET_B
  rect 1.2x2.2 smd: 1(0.005,0) 2(3.1,0)
LED0603
  rect 0.762x0.762 smd: 1(0.749,0) 2(-0.648,0)
LED_0201_0603Metric
  rrect 0.318x0.36 smd: (-0.345,0) (0.345,0)
  rrect 0.46x0.4 smd: 1(-0.32,0) 2(0.32,0)
LQH32PN2R2NN0L
  rect 1.2x2 smd: 1(-1.25,0) 2(1.25,0)
LSE(2012)
  rect 0.75x1.2 smd: 1(-0.725,0) 2(0.725,0)
M2.5-6mm
  round 6 hole 3.7: 1(0,0)
M2MountingHole
  round 3.2 hole 3: 1(0,0)
MDT580M01001
  round 1.6 hole 1.6 unplated: (-1.5,-10)
  round 1.1 hole 1.1 unplated: (-1.5,10)
  rect 1.55x0.3 smd: 1(3.775,9.25) 2(-3.775,9) 3(3.775,8.75) 4(-3.775,8.5) 5(3.775,8.25) 6(-3.775,8) 7(3.775,7.75) 8(-3.775,7.5) 9(3.775,7.25) 10(-3.775,7) 11(3.775,6.75) 12(-3.775,6.5) 13(3.775,6.25) 14(-3.775,6) 15(3.775,5.75) 16(-3.775,5.5) 17(3.775,5.25) 18(-3.775,5) 19(3.775,4.75) 20(-3.775,4.5) 21(3.775,4.25) 22(-3.775,4) 23(3.775,3.75) 24(-3.775,3.5) 25(3.775,3.25) 26(-3.775,3) 27(3.775,2.75) 28(-3.775,2.5) 29(3.775,2.25) 30(-3.775,2) 31(3.775,1.75) 32(-3.775,1.5) 33(3.775,1.25) 34(-3.775,1) 35(3.775,0.75) 36(-3.775,0.5) 37(3.775,0.25) 38(-3.775,0) 39(3.775,-0.25) 40(-3.775,-0.5) 41(3.775,-0.75) 42(-3.775,-1) 43(3.775,-1.25) 44(-3.775,-1.5) 45(3.775,-1.75) 46(-3.775,-2) 47(3.775,-2.25) 48(-3.775,-2.5) 49(3.775,-2.75) 50(-3.775,-3) 51(3.775,-3.25) 52(-3.775,-3.5) 53(3.775,-3.75) 54(-3.775,-4) 55(3.775,-4.25) 56(-3.775,-4.5) 57(3.775,-4.75) 58(-3.775,-5) 67(3.775,-7.25) 68(-3.775,-7.5) 69(3.775,-7.75) 70(-3.775,-8) 71(3.775,-8.25) 72(-3.775,-8.5) 73(3.775,-8.75) 74(-3.775,-9) 75(3.775,-9.25)
  rect 2.75x1.2 smd: SH1(3,10.35) SH2(3,-10.35)
MiniTP
  round 0.6 smd: 1(0,0)
Molex_PicoBlade_53398-0471_1x04-1MP_P1.25mm_Vertical
  rrect 0.8x1.3 smd: 1(-1.875,1.25) 2(-0.625,1.25) 3(0.625,1.25) 4(1.875,1.25)
  rrect 2.1x3 smd: MP(-4.425,-1.5) MP(4.425,-1.5)
MountingHole_3.7mm_Pad
  round 6 hole 3.7: 1(0,0)
MS621FE-FL11E
  rect 0.75x1.8 smd: +(0.75,0) -(-0.75,0)
MSOP-8
  oval 1.6x0.45 smd: 1(-2.125,0.975) 2(-2.125,0.325) 3(-2.125,-0.325) 4(-2.125,-0.975) 5(2.125,-0.975) 6(2.125,-0.325) 7(2.125,0.325) 8(2.125,0.975)
Oscillator_SMD_Abracon_ASDMB-4Pin_2.5x2.0mm
  rect 0.65x0.85 smd: 1(-0.825,-0.775) 2(0.825,-0.775) 3(0.825,0.775) 4(-0.825,0.775)
PESD5V0F1BL
  rect 0.305x0.559 smd: 1(-0.318,0) 2(0.318,0)
PESD12VV1BL_315
  rect 0.305x0.559 smd: 1(-0.318,0) 2(0.318,0)
PinHeader_1x02_P1.27mm_Vertical
  rect 1x1 hole 0.65: 1(0,0)
  oval 1x1 hole 0.65: 2(0,-1.27)
PQFN50P200X200X80-10N
  rrect 0.35x0.38 smd: 1(-0.765,0.25) 2(-0.765,-0.25) 3(-0.5,-0.765) 4(0,-0.765) 5(0.5,-0.765) 6(0.765,-0.25) 7(0.765,0.25) 8(0.5,0.765) 9(0,0.765) 10(-0.5,0.765)
QFN-32
  rect 0.75x0.3 smd: 1(-2.475,1.75) 2(-2.475,1.25) 3(-2.475,0.75) 4(-2.475,0.25) 5(-2.475,-0.25) 6(-2.475,-0.75) 7(-2.475,-1.25) 8(-2.475,-1.75) 17(2.475,-1.75) 18(2.475,-1.25) 19(2.475,-0.75) 20(2.475,-0.25) 21(2.475,0.25) 22(2.475,0.75) 23(2.475,1.25) 24(2.475,1.75)
  rect 0.3x0.75 smd: 9(-1.75,-2.475) 10(-1.25,-2.475) 11(-0.75,-2.475) 12(-0.25,-2.475) 13(0.25,-2.475) 14(0.75,-2.475) 15(1.25,-2.475) 16(1.75,-2.475) 25(1.75,2.475) 26(1.25,2.475) 27(0.75,2.475) 28(0.25,2.475) 29(-0.25,2.475) 30(-0.75,2.475) 31(-1.25,2.475) 32(-1.75,2.475)
  rect 3.2x3.2 smd: 33(0,0)
R-PDSO-G5
  rect 0.9x0.4 smd: 1(-0.95,0.65) 2(-0.95,0) 3(-0.95,-0.65) 4(0.95,-0.65) 5(0.95,0.65)
R_0201_0603Metric
  rrect 0.318x0.36 smd: (-0.345,0) (0.345,0)
  rrect 0.46x0.4 smd: 1(-0.32,0) 2(0.32,0)
RNH0030A
  rect 0.45x0.2 smd: 1(-1.23,1.8) 10(-1.23,-1.8) 16(1.225,-1.8) 25(1.225,1.8)
  rect 0.5x0.2 smd: 2(-1.2,1.4) 3(-1.2,1) 4(-1.2,0.6) 5(-1.2,0.2) 6(-1.2,-0.2) 7(-1.2,-0.6) 8(-1.2,-1) 9(-1.2,-1.4) 17(1.2,-1.4) 18(1.2,-1) 19(1.2,-0.6) 20(1.2,-0.2) 21(1.2,0.2) 22(1.2,0.6) 23(1.2,1) 24(1.2,1.4)
  rect 0.2x0.45 smd: 11(-0.8,-2.2) 15(0.8,-2.2) 26(0.8,2.2) 30(-0.8,2.2)
  rect 0.2x0.5 smd: 12(-0.4,-2.2) 13(0,-2.2) 14(0.4,-2.2) 27(0.4,2.2) 28(0,2.2) 29(-0.4,2.2)
  rect 1.2x3.2 smd: 31(0,0)
RT9013-33GB
  rect 1.31x0.609 smd: 1(-1.194,0.94) 2(-1.194,0) 3(-1.194,-0.94) 4(1.194,-0.94) 5(1.194,0.94)
SC70-3
  rect 0.5x0.4 smd: 1(-0.95,0.65) 2(-0.95,-0.65) 3(0.95,0)
SI-51005-F
  round 3.25 hole 3.25 unplated: (-5.715,-6.86) (5.715,-6.86)
  rect 1.7x1.7 hole 0.89: 1(5.715,-0.51)
  round 1.7 hole 0.89: 2(4.445,2.03) 3(3.175,-0.51) 4(1.905,2.03) 5(0.635,-0.51) 6(-0.635,2.03) 7(-1.905,-0.51) 8(-3.175,2.03) 9(-4.445,-0.51) 10(-5.715,2.03)
  round 1.65 hole 1.02: 11(5.469,6.86) 12(2.929,6.86) 13(-2.921,6.86) 14(-5.461,6.86)
  round 2.6 hole 1.7: S(-7.878,-3.81) S(7.878,-3.81)
SIC47XED-T1-GE3
  rect 0.95x0.35 smd: 1(-2.525,1.7) 2(-2.525,1.05) 3(-2.525,0.4) 4(-2.525,-0.25) 5(-2.525,-1.25) 6(-2.525,-1.75) 12(2.525,-1.9) 13(2.525,-1.4) 14(2.525,-0.9) 15(2.525,-0.25) 16(2.525,0.25) 17(2.525,0.75) 18(2.525,1.25) 19(2.525,1.75)
  rect 0.35x0.95 smd: 7(-1.52,-2.525) 8(-0.87,-2.525) 9(0.26,-2.525) 10(0.76,-2.525) 11(1.26,-2.525) 20(1.75,2.525) 21(1.25,2.525) 22(0.75,2.525) 23(0.25,2.525) 24(-0.25,2.525) 25(-0.75,2.525) 26(-1.25,2.525) 27(-1.75,2.525)
  rect 1.1x2.7 smd: 7(-1.2,-1)
  rect 1.52x2.7 smd: 9(0.41,-1)
  rect 2.1x1.73 smd: 9(0.7,-1.485)
  rect 0.3x1.35 smd: 14(2.2,-1.4)
  rect 3.4x1.1 smd: 28(0,1.2)
SM04B-SRSS-TB-LF-SN
  rect 0.6x1.55 smd: 1(-1.5,0) 2(-0.5,0) 3(0.5,0) 4(1.5,0)
  rect 1.2x1.8 smd: S1(-2.8,-3.875) S2(2.8,-3.875)
SOD-323
  rect 0.8x0.8 smd: A(1.125,0) C(-1.125,0)
SOD-323#2
  rect 0.59x0.45 smd: A(1.055,0) C(-1.055,0)
SOD-523_NP
  rrect 0.5x0.6 smd: 1(-0.701,0) 2(0.699,0)
